# Altium PCB OctopusPB_r0101.PcbDoc (part 3 of 11) (continued)
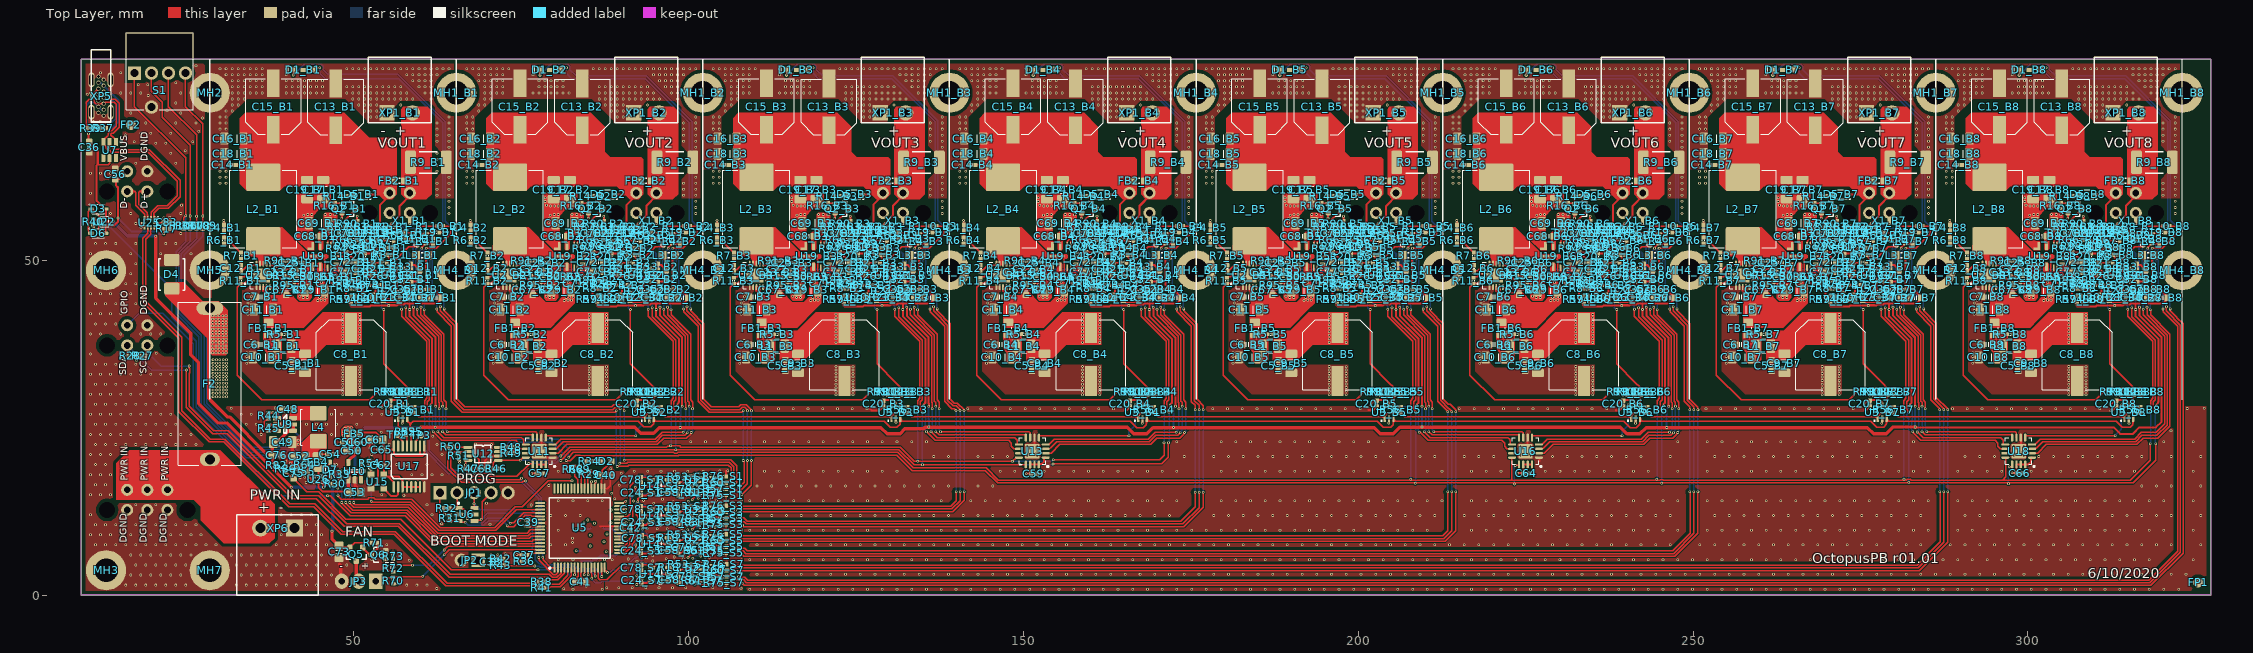
[diagram p0: Top Layer view]
## Part data (continued)
Q5: "P-Channel 30V 3.8A (Ta) 1.08W (Ta) Surface Mount SOT-23", Case=SOT23-3, Manufacturer=Diodes, Manufacturer PN=DMP3099L-7, PartNumber=DMP3099L-7, Publisher=alexey.savchenko, Publishing Date=2/26/2020
Q6: "MOSFET N-CH 30V 180MA SOT323", Case=SOT323, Manufacturer=Nexperia, Analogs=DMN63D8LW-7, Manufacturer PN=NX3020NAKW,115, PartNumber=NX3020NAKW,115, Publisher=alexey.savchenko, Publishing Date=2/17/2020
R1_B1 R1_B2 R1_B3 R1_B4 R1_B5 R1_B6 R1_B7 R1_B8 R12_B1 R12_B2 R12_B3 R12_B4 R12_B5 R12_B6 R12_B7 R12_B8: library part RC0402F-42K2-M, "Chip resistor", Case=0402, Manufacturer=Yageo, Manufacturer PN=RC0402FR-0742K2L, Power=0.063W, Rated Voltage=50V, PartNumber=RC0402F-42K2-M, Publisher=alexey.savchenko, Publishing Date=2/24/2020, T Coefficient=100ppm, Tollerance=1%
R2_B1 R2_B2 R2_B3 R2_B4 R2_B5 R2_B6 R2_B7 R2_B8 R30 R33 R63_B1 R63_B2 R63_B3 R63_B4 R63_B5 R63_B6 R63_B7 R63_B8 R86: library part RC0402F-1K-M, "Chip resistor", Case=0402, Manufacturer=Yageo, Manufacturer PN=RC0402FR-071KL, Power=0.063W, Rated Voltage=50V, PartNumber=RC0402F-1K-M, Publisher=alexey.savchenko, Publishing Date=2/24/2020, T Coefficient=100ppm, Tollerance=1%
R3_B1 R3_B2 R3_B3 R3_B4 R3_B5 R3_B6 R3_B7 R3_B8 R4_B1 R4_B2 R4_B3 R4_B4 R4_B5 R4_B6 R4_B7 R4_B8 R6_B1 R6_B2 R6_B3 R6_B4 R6_B5 R6_B6 R6_B7 R6_B8 R16_B1 R16_B2 R16_B3 R16_B4 R16_B5 R16_B6 R16_B7 R16_B8 R17 R29 R31 R32 R40 R42 R53_S1 R53_S2 R53_S3 R53_S4 R53_S5 R53_S6 R53_S7 R53_S8 R54 R57_S1 R57_S2 R57_S3 R57_S4 R57_S5 R57_S6 R57_S7 R57_S8 R60_S1 R60_S2 R60_S3 R60_S4 R60_S5 R60_S6 R60_S7 R60_S8 R61_S1 R61_S2 R61_S3 R61_S4 R61_S5 R61_S6 R61_S7 R61_S8 R62_B1 R62_B2 R62_B3 R62_B4 R62_B5 R62_B6 R62_B7 R62_B8 R64 R70 R71 R73 R82 R106 R107 R108 R109: library part RC0402F-10K-M, "Chip resistor", Case=0402, Manufacturer=Yageo, Manufacturer PN=RC0402FR-0710KL, Power=0.063W, Rated Voltage=50V, PartNumber=RC0402F-10K-M, Publisher=alexey.savchenko, Publishing Date=2/24/2020, Tollerance=1%
  R3_B1 R3_B2 R3_B3 R3_B4 R3_B5 R3_B6 R3_B7 R3_B8 R4_B1 R4_B2 R4_B3 R4_B4 R4_B5 R4_B6 R4_B7 R4_B8 R6_B1 R6_B2 R6_B3 R6_B4 R6_B5 R6_B6 R6_B7 R6_B8 R16_B1 R16_B2 R16_B3 R16_B4 R16_B5 R16_B6 R16_B7 R16_B8 R17 R29 R31 R32 R40 R42 R54 R61_S1 R61_S2 R61_S3 R61_S4 R61_S5 R61_S6 R61_S7 R61_S8 R62_B1 R62_B2 R62_B3 R62_B4 R62_B5 R62_B6 R62_B7 R62_B8 R64 R70 R71 R73 R82 R106 R107 R108 R109: T Coefficient=100ppm
R5_B1 R5_B2 R5_B3 R5_B4 R5_B5 R5_B6 R5_B7 R5_B8: library part RC0402F-2K1-M, "Chip resistor", Case=0402, Manufacturer=Yageo, Manufacturer PN=RC0402FR-072K1L, Power=0.063W, Rated Voltage=50V, PartNumber=RC0402F-2K1-M, Publisher=alexey.savchenko, Publishing Date=2/24/2020, T Coefficient=100ppm, Tollerance=1%
R7_B1 R7_B2 R7_B3 R7_B4 R7_B5 R7_B6 R7_B7 R7_B8 R8_B1 R8_B2 R8_B3 R8_B4 R8_B5 R8_B6 R8_B7 R8_B8 R23_B1 R23_B2 R23_B3 R23_B4 R23_B5 R23_B6 R23_B7 R23_B8 R24_B1 R24_B2 R24_B3 R24_B4 R24_B5 R24_B6 R24_B7 R24_B8 R25_B1 R25_B2 R25_B3 R25_B4 R25_B5 R25_B6 R25_B7 R25_B8 R26_B1 R26_B2 R26_B3 R26_B4 R26_B5 R26_B6 R26_B7 R26_B8 R56_B1 R56_B2 R56_B3 R56_B4 R56_B5 R56_B6 R56_B7 R56_B8 R58_B1 R58_B2 R58_B3 R58_B4 R58_B5 R58_B6 R58_B7 R58_B8 R59_B1 R59_B2 R59_B3 R59_B4 R59_B5 R59_B6 R59_B7 R59_B8 R68 R69 R74_B1 R74_B2 R74_B3 R74_B4 R74_B5 R74_B6 R74_B7 R74_B8 R87_B1 R87_B2 R87_B3 R87_B4 R87_B5 R87_B6 R87_B7 R87_B8 R90_B1 R90_B2 R90_B3 R90_B4 R90_B5 R90_B6 R90_B7 R90_B8 R91_B1 R91_B2 R91_B3 R91_B4 R91_B5 R91_B6 R91_B7 R91_B8 R94_B1 R94_B2 R94_B3 R94_B4 R94_B5 R94_B6 R94_B7 R94_B8 R95_B1 R95_B2 R95_B3 R95_B4 R95_B5 R95_B6 R95_B7 R95_B8 R98_B1 R98_B2 R98_B3 R98_B4 R98_B5 R98_B6 R98_B7 R98_B8 R99_B1 R99_B2 R99_B3 R99_B4 R99_B5 R99_B6 R99_B7 R99_B8 R103_B1 R103_B2 R103_B3 R103_B4 R103_B5 R103_B6 R103_B7 R103_B8 R110_B1 R110_B2 R110_B3 R110_B4 R110_B5 R110_B6 R110_B7 R110_B8: library part RC0402F-0R-M, "Chip resistor", Case=0402, Manufacturer=Yageo, Manufacturer PN=RC0402FR-070RL, Power=0.063W, Rated Voltage=50V, PartNumber=RC0402F-0R-M, Publisher=alexey.savchenko, Publishing Date=2/24/2020, Tollerance=1%
R9_B1 R9_B2 R9_B3 R9_B4 R9_B5 R9_B6 R9_B7 R9_B8: library part RC2512J-479R-M, "Chip resistor", Case=2512, Manufacturer=Stackpole, Manufacturer PN=RMCF2512JT470R, Power=1W, Rated Voltage=200V, PartNumber=RC2512J-479R-M, Publisher=alexey.savchenko, Publishing Date=2/24/2020, T Coefficient=200ppm, Tollerance=5%
R10_B1 R10_B2 R10_B3 R10_B4 R10_B5 R10_B6 R10_B7 R10_B8 R52 R55 R102_B1 R102_B2 R102_B3 R102_B4 R102_B5 R102_B6 R102_B7 R102_B8: library part RC0402F-43R-M, "Chip resistor", Case=0402, Manufacturer=Yageo, Manufacturer PN=RC0402FR-0743RL, Power=0.063W, Rated Voltage=50V, PartNumber=RC0402F-43R-M, Publisher=alexey.savchenko, Publishing Date=2/24/2020, Tollerance=1%
R11_B1 R11_B2 R11_B3 R11_B4 R11_B5 R11_B6 R11_B7 R11_B8 R13_B1 R13_B2 R13_B3 R13_B4 R13_B5 R13_B6 R13_B7 R13_B8 R36: library part RC0402F-100K-M, "Chip resistor", Case=0402, Manufacturer=Yageo, Manufacturer PN=RC0402FR-07100KL, Power=0.063W, Rated Voltage=50V, PartNumber=RC0402F-100K-M, Publisher=alexey.savchenko, Publishing Date=2/24/2020, T Coefficient=100ppm, Tollerance=1%
R14_B1 R14_B2 R14_B3 R14_B4 R14_B5 R14_B6 R14_B7 R14_B8 R43 R65_B1 R65_B2 R65_B3 R65_B4 R65_B5 R65_B6 R65_B7 R65_B8: library part RC0402F-100R-M, "Chip resistor", Case=0402, Manufacturer=Yageo, Manufacturer PN=RC0402FR-07100RL, Power=0.063W, Rated Voltage=50V, PartNumber=RC0402F-100R-M, Publisher=alexey.savchenko, Publishing Date=2/24/2020, Tollerance=1%
R15_B1 R15_B2 R15_B3 R15_B4 R15_B5 R15_B6 R15_B7 R15_B8: library part RC0402F-56K-M, "Chip resistor", Case=0402, Manufacturer=Yageo, Manufacturer PN=RC0402FR-0756KL, Power=0.063W, Rated Voltage=50V, PartNumber=RC0402F-56K-M, Publisher=alexey.savchenko, Publishing Date=2/24/2020, T Coefficient=100ppm, Tollerance=1%
R18_S1 R18_S2 R18_S3 R18_S4 R18_S5 R18_S6 R18_S7 R18_S8 R75_S1 R75_S2 R75_S3 R75_S4 R75_S5 R75_S6 R75_S7 R75_S8 R76_S1 R76_S2 R76_S3 R76_S4 R76_S5 R76_S6 R76_S7 R76_S8: library part RC0402F-2K4-M, "Chip resistor", Case=0402, Manufacturer=Yageo, Manufacturer PN=RC0402FR-072K4L, Power=0.063W, Rated Voltage=50V, PartNumber=RC0402F-2K4-M, Publisher=alexey.savchenko, Publishing Date=2/24/2020, Tollerance=1%
R19_B1 R19_B2 R19_B3 R19_B4 R19_B5 R19_B6 R19_B7 R19_B8: library part RC0402F-360R-M, "Chip resistor", Case=0402, Manufacturer=Yageo, Manufacturer PN=RC0402FR-07360RL, Power=0.063W, Rated Voltage=50V, PartNumber=RC0402F-360R-M, Publisher=alexey.savchenko, Publishing Date=2/24/2020, Tollerance=1%
R20_B1 R20_B2 R20_B3 R20_B4 R20_B5 R20_B6 R20_B7 R20_B8: library part RC0402F-7K15-M, "Chip resistor", Case=0402, Manufacturer=Yageo, Manufacturer PN=RC0402FR-077K15L, Power=0.063W, Rated Voltage=50V, PartNumber=RC0402F-7K15-M, Publisher=alexey.savchenko, Publishing Date=2/24/2020, T Coefficient=100ppm, Tollerance=1%
R21_B1 R21_B2 R21_B3 R21_B4 R21_B5 R21_B6 R21_B7 R21_B8: library part RC0402F-1K2-M, "Chip resistor", Case=0402, Manufacturer=Yageo, Manufacturer PN=RC0402FR-071K2L, Power=0.063W, Rated Voltage=50V, PartNumber=RC0402F-1K2-M, Publisher=alexey.savchenko, Publishing Date=2/24/2020, T Coefficient=100ppm, Tollerance=1%
R22_B1 R22_B2 R22_B3 R22_B4 R22_B5 R22_B6 R22_B7 R22_B8 R67_B1 R67_B2 R67_B3 R67_B4 R67_B5 R67_B6 R67_B7 R67_B8: library part RC0402F-6K04-M, "Chip resistor", Case=0402, Manufacturer=Yageo, Manufacturer PN=RC0402FR-076K04L, Power=0.063W, Rated Voltage=50V, PartNumber=RC0402F-6K04-M, Publisher=alexey.savchenko, Publishing Date=2/24/2020, T Coefficient=100ppm, Tollerance=1%
R27 R28 R46 R47 R48 R49 R50 R51: library part RC0402F-4K7-M, "Chip resistor", Case=0402, Manufacturer=Yageo, Manufacturer PN=RC0402FR-074K7L, Power=0.063W, Rated Voltage=50V, PartNumber=RC0402F-4K7-M, Publisher=alexey.savchenko, Publishing Date=2/24/2020, T Coefficient=100ppm, Tollerance=1%
R34: library part RC0402F-240R-M, "Chip resistor", Case=0402, Manufacturer=Yageo, Manufacturer PN=RC0402FR-07240RL, Power=0.063W, Rated Voltage=50V, PartNumber=RC0402F-240R-M, Publisher=alexey.savchenko, Publishing Date=2/24/2020, Tollerance=1%
R37 R39: library part RC0402F-5K1-M, "Chip resistor", Case=0402, Manufacturer=Yageo, Manufacturer PN=RC0402FR-075K1L, Power=0.063W, Rated Voltage=50V, PartNumber=RC0402F-5K1-M, Publisher=alexey.savchenko, Publishing Date=2/24/2020, T Coefficient=100ppm, Tollerance=1%
R38 R41: library part RC0402F-33R-M, "Chip resistor", Case=0402, Manufacturer=Yageo, Manufacturer PN=RC0402FR-0733RL, Power=0.063W, Rated Voltage=50V, PartNumber=RC0402F-33R-M, Publisher=alexey.savchenko, Publishing Date=2/24/2020, Tollerance=1%
R44: library part RC0402F-91K-M, "Chip resistor", Case=0402, Manufacturer=Yageo, Manufacturer PN=RC0402FR-0791KL, Power=0.063W, Rated Voltage=50V, PartNumber=RC0402F-91K-M, Publisher=alexey.savchenko, Publishing Date=2/24/2020, T Coefficient=100ppm, Tollerance=1%
R45: library part RC0402F-22K1-M, "Chip resistor", Case=0402, Manufacturer=Yageo, Manufacturer PN=RC0402FR-0722K1L, Power=0.063W, Rated Voltage=50V, PartNumber=RC0402F-22K1-M, Publisher=alexey.savchenko, Publishing Date=2/24/2020, T Coefficient=100ppm, Tollerance=1%
R66_B1 R66_B2 R66_B3 R66_B4 R66_B5 R66_B6 R66_B7 R66_B8: library part RC0402F-33K-M, "Chip resistor", Case=0402, Manufacturer=Yageo, Manufacturer PN=RC0402FR-0733KL, Power=0.063W, Rated Voltage=50V, PartNumber=RC0402F-33K-M, Publisher=alexey.savchenko, Publishing Date=2/24/2020, T Coefficient=100ppm, Tollerance=1%
R72 R83_B1 R83_B2 R83_B3 R83_B4 R83_B5 R83_B6 R83_B7 R83_B8: library part RC0402F-10R-M, "Chip resistor", Case=0402, Manufacturer=Yageo, Manufacturer PN=RC0402FR-0710RL, Power=0.063W, Rated Voltage=50V, PartNumber=RC0402F-10R-M, Publisher=alexey.savchenko, Publishing Date=2/24/2020, Tollerance=1%
S1: "Dip Switch Hexadecimal 16 Position Through Hole, Right Angle Rotary for Tool Actuator 100mA 5VDC", Manufacturer="Nidec Copal Electronics", Manufacturer PN=DSC6001CI2A-004.0000S-1011A, PartNumber=S-1011A, Publisher=alexey.savchenko, Publishing Date=4/17/2020
TP2 TP3: library part TEST_POINT_SMALL, "Test point", Manufacturer=NULL, Manufacturer PN=NULL, PartNumber=TEST_POINT_SMALL, Publisher=alexey.savchenko, Publishing Date=2/14/2020
U1_B1 U1_B2 U1_B3 U1_B4 U1_B5 U1_B6 U1_B7 U1_B8 U21_S1 U21_S2 U21_S3 U21_S4 U21_S5 U21_S6 U21_S7 U21_S8: "1 Circuit IC Switch 2:1 10Ohm SOT-363", Case=SOT363, Manufacturer=TI, Analogs="74LVC1G3157DW-7(Diodes), PI5A3157CEX(Diodes)", Manufacturer PN=SN74LVC1G3157DCKR, PartNumber=SN74LVC1G3157DCKR, Publisher=alexey.savchenko, Publishing Date=4/9/2020
U2_B1 U2_B2 U2_B3 U2_B4 U2_B5 U2_B6 U2_B7 U2_B8: "IC REG BUCK ADJUSTABLE 8A 14VQFN", Case=VQFN14, Manufacturer=TI, Manufacturer PN=TPS54821RHL, PartNumber=TPS54821RHL, Publisher=alexey.savchenko, Publishing Date=1/12/2020
U3_B1 U3_B2 U3_B3 U3_B4 U3_B5 U3_B6 U3_B7 U3_B8: "IC SINGLE 2-INPUT MUX 6TSSOP", Case=SOT363, Manufacturer=Nexperia, Analogs=NC7SV157P6X,NC7SZ157P6X, Manufacturer PN=74LVC1G157GW, PartNumber=74LVC1G157GW, Publisher=alexey.savchenko, Publishing Date=1/21/2020
U4_B1 U4_B2 U4_B3 U4_B4 U4_B5 U4_B6 U4_B7 U4_B8: "SINGLE CHAN DAC 24BIT- ZEROCODE", Case=WSON-8, Manufacturer=TI, Analogs="DAC60501MDQFR, DAC60501MDQFT, DAC60501ZDQFR", Manufacturer PN=DAC60501ZDQFT, PartNumber=DAC60501ZDQFT, Publisher=alexey.savchenko, Publishing Date=1/13/2020
U5: "IC MCU 32BIT 256KB FLASH 64LQFP", Case=LQFP-64, Manufacturer=NXP, Manufacturer PN=LPC54113J256BD64QL, PartNumber=LPC54113J256BD64QL, Publisher=alexey.savchenko, Publishing Date=1/24/2020
U6 U7: "TVS DIODE 5.5V 6TSOP", Case=TSOP-6, Manufacturer=Nexperia, Manufacturer PN=IP4220CZ6, PartNumber=IP4220CZ6, Publisher=alexey.savchenko, Publishing Date=1/24/2020
U8: "IC VREF SERIES 0.15% SOT23-3", Case=SOT23-3, Manufacturer=TI, Manufacturer PN=REF3330AIDBZ, PartNumber=REF3330AIDBZ, Publisher=alexey.savchenko, Publishing Date=2/19/2020
U9: "Buck Switching Regulator IC Positive Adjustable 1V 1 Output 600mA SOT-23-6", Case=SOT23-6, Manufacturer=TI, Manufacturer PN=TPS560430YFQDBVRQ1, PartNumber=TPS560430YFQDBVRQ1, Publisher=alexey.savchenko, Publishing Date=3/31/2020
U10: "Linear Voltage Regulator IC 1 Output 150mA SOT-23-5", Case=SOT23-5, Manufacturer=Microchip, Manufacturer PN=MIC5317-3.3YM5, PartNumber=MIC5317-3.3YM5, Publisher=alexey.savchenko, Publishing Date=3/10/2020
U11 U13 U16 U18: "I/O Expander 8 I²C, SMBus 400kHz 16-VQFN (4x4)", Case=VQFN-16(RGV), Manufacturer=TI, Analogs="NXP has same chip", Manufacturer PN=PCA9554ARGVR, PartNumber=PCA9554ARGVR, Publisher=alexey.savchenko, Publishing Date=2/26/2020
U12: "IC INTERFACE SPECIALIZED 8TSSOP", Case=TSSOP-8, Manufacturer=NXP, Manufacturer PN=PCA9540BDP,118, PartNumber=PCA9540BDP,118, Publisher=alexey.savchenko, Publishing Date=1/24/2020
U14_S1 U14_S2 U14_S3 U14_S4 U14_S5 U14_S6 U14_S7 U14_S8: "General Purpose Amplifier 1 Circuit Rail-to-Rail SOT-23-5", Case=SOT23-5, Manufacturer=Microchip, Manufacturer PN=MCP6001UT-E/OT, PartNumber=MCP6001UT-E/OT, Publisher=alexey.savchenko, Publishing Date=2/24/2020
U15: "4MHz XO (Standard) CMOS Oscillator 1.8V ~ 3.3V Enable/Disable 4-SMD, No Lead", Frequency=4MHz, Manufacturer=Microchip, Manufacturer PN=DSC6001CI2A-004.0000, PartNumber=DSC6001CI2A-004.0000, Publisher=alexey.savchenko, Publishing Date=3/6/2020
U17: "Counter IC Binary Counter 1 Element 4 Bit Positive Edge 16-TSSOP", Case=TSSOP-16, Manufacturer=TI, Manufacturer PN=SN74HC163PW, PartNumber=SN74HC163PW, Publisher=alexey.savchenko, Publishing Date=3/6/2020
U19_B1 U19_B2 U19_B3 U19_B4 U19_B5 U19_B6 U19_B7 U19_B8: "Buck Switching Regulator IC Positive Adjustable 1V 1 Output 6A 14-VFQFN", Case=VQFN-HR-14, Manufacturer=TI, Manufacturer PN=LM61460AASQRJRRQ1, PartNumber=LM61460-Q1, Publisher=alexey.savchenko, Publishing Date=3/27/2020
U20_B1 U20_B2 U20_B3 U20_B4 U20_B5 U20_B6 U20_B7 U20_B8: "Temperature Sensor Digital, Local -20°C ~ 125°C 10 b 8-WDFN (2x3)", Case=WDFN-8, Manufacturer=Microchip, Manufacturer PN=AT30TSE002B-MAH-T, PartNumber=AT30TSE002B-MAH-T, Publisher=alexey.savchenko, Publishing Date=3/31/2020
U22 U26: "Power Switch/Driver 2:1 P-Channel 1.5A 6-WLCSP (0.96x1.66)", Case=WLCSP-6, Manufacturer="ON Semiconductor", Manufacturer PN=FPF1320UCX, PartNumber=FPF1320UCX, Publisher=alexey.savchenko, Publishing Date=4/10/2020
U25: "IC USB 2.0 SWITCH HS 10XQFN", Case=XQFN-10(SOT1049-3), Manufacturer=NXP, Analogs=PI3USB221AZUAEX, Manufacturer PN=NX3DV221GM,115, PartNumber=NX3DV221GM,115, Publisher=alexey.savchenko, Publishing Date=4/9/2020
XP1_B1 XP1_B2 XP1_B3 XP1_B4 XP1_B5 XP1_B6 XP1_B7 XP1_B8: "2 Position Terminal Block Header, Male Pins, Shrouded (4 Side) 0.150\" (3.81mm) 90°, Right Angle Through Hole", Manufacturer="Würth Elektronik", Manufacturer PN=691322310002+691361300002(Plug), PartNumber=TBH-2x3.81P-RA-GN, Publisher=alexey.savchenko, Publishing Date=2/14/2020
XP2_B1 XP2_B2 XP2_B3 XP2_B4 XP2_B5 XP2_B6 XP2_B7 XP2_B8 XP3 XP4: "Micro-Fit BMI Receptacle Header, Dual Row, Vertical, with Press-fit Plastic Pegs, 2.54µm Tin (Sn), 4 Circuits", Manufacturer=Molex, Analogs="0447690402, 0447690403", Manufacturer PN=0447690401, PartNumber=0447690401, Publisher=alexey.savchenko, Publishing Date=2/14/2020
XP5: "CONN USB TYPE-C TH UPRIGHT FLAG", Manufacturer=Kycon, Manufacturer PN=KUSBX-SL-CS1N14-B, PartNumber=KUSBX-SL-CS1N14-B, Publisher=alexey.savchenko, Publishing Date=4/17/2020
XP6: "TERM BLOCK HDR 2POS 90DEG 5.08MM, Green", Manufacturer="Phoenix Contact", Manufacturer PN=+1757019(Plug), PartNumber=TBH-2x5.08P-RA-GN, Publisher=alexey.savchenko, Publishing Date=2/14/2020
XP7: "Micro-Fit BMI Receptacle Header, Dual Row, Vertical, with Press-fit Plastic Pegs, 2.54µm Tin (Sn), 6 Circuits", Manufacturer=Molex, Analogs="0447690602, 0447690603", Manufacturer PN=0447690601, PartNumber=0447690601, Publisher=alexey.savchenko, Publishing Date=4/29/2020

## Free pads (board coordinates)
  round 1.1 on Mech8: 1(-12.299,-168.07) 1(-12.299,-167.07) 1(-12.299,-162.96) 1(-12.299,-161.46) 1(-3.659,-168.07) 1(-3.659,-167.07) 1(-3.659,-162.96) 1(-3.659,-161.46)
  round 2.41 on Mech8: 1(-12.078,-200.01) 1(-12.078,-183.01) 1(-3.078,-200.01) 1(-3.078,-183.01) 1(30.922,-183.01) 1(39.922,-183.01) 1(68.749,-183.01) 1(77.749,-183.01) 1(106.576,-183.01) 1(115.576,-183.01) 1(144.403,-183.01) 1(153.403,-183.01) 1(182.23,-183.01) 1(191.23,-183.01) 1(220.057,-183.01) 1(229.057,-183.01) 1(257.884,-183.01) 1(266.884,-183.01) 1(295.711,-183.01) 1(304.711,-183.01)
  round 1.8 on Mech8: 1(-12.078,-200.01) 1(-12.078,-183.01) 1(-9.078,-200.01) 1(-9.078,-197.01) 1(-9.078,-183.01) 1(-9.078,-180.01) 1(-6.078,-200.01) 1(-6.078,-197.01) 1(-6.078,-183.01) 1(-6.078,-180.01) 1(-3.078,-200.01) 1(-3.078,-183.01) 1(30.922,-183.01) 1(33.922,-183.01) 1(33.922,-180.01) 1(36.922,-183.01) 1(36.922,-180.01) 1(39.922,-183.01) 1(68.749,-183.01) 1(71.749,-183.01) 1(71.749,-180.01) 1(74.749,-183.01) 1(74.749,-180.01) 1(77.749,-183.01) 1(106.576,-183.01) 1(109.576,-183.01) 1(109.576,-180.01) 1(112.576,-183.01) 1(112.576,-180.01) 1(115.576,-183.01) 1(144.403,-183.01) 1(147.403,-183.01) 1(147.403,-180.01) 1(150.403,-183.01) 1(150.403,-180.01) 1(153.403,-183.01) 1(182.23,-183.01) 1(185.23,-183.01) 1(185.23,-180.01) 1(188.23,-183.01) 1(188.23,-180.01) 1(191.23,-183.01) 1(220.057,-183.01) 1(223.057,-183.01) 1(223.057,-180.01) 1(226.057,-183.01) 1(226.057,-180.01) 1(229.057,-183.01) 1(257.884,-183.01) 1(260.884,-183.01) 1(260.884,-180.01) 1(263.884,-183.01) 1(263.884,-180.01) 1(266.884,-183.01) 1(295.711,-183.01) 1(298.711,-183.01) 1(298.711,-180.01) 1(301.711,-183.01) 1(301.711,-180.01) 1(304.711,-183.01)
  round 1.02 on Mech8: 1(-9.078,-200.01) 1(-9.078,-197.01) 1(-9.078,-183.01) 1(-9.078,-180.01) 1(-6.078,-200.01) 1(-6.078,-197.01) 1(-6.078,-183.01) 1(-6.078,-180.01) 1(33.922,-183.01) 1(33.922,-180.01) 1(36.922,-183.01) 1(36.922,-180.01) 1(71.749,-183.01) 1(71.749,-180.01) 1(74.749,-183.01) 1(74.749,-180.01) 1(109.576,-183.01) 1(109.576,-180.01) 1(112.576,-183.01) 1(112.576,-180.01) 1(147.403,-183.01) 1(147.403,-180.01) 1(150.403,-183.01) 1(150.403,-180.01) 1(185.23,-183.01) 1(185.23,-180.01) 1(188.23,-183.01) 1(188.23,-180.01) 1(223.057,-183.01) 1(223.057,-180.01) 1(226.057,-183.01) 1(226.057,-180.01) 1(260.884,-183.01) 1(260.884,-180.01) 1(263.884,-183.01) 1(263.884,-180.01) 1(298.711,-183.01) 1(298.711,-180.01) 1(301.711,-183.01) 1(301.711,-180.01)
  round 0.2 on Mech8: 1(17.922,-162.61) 1(22.997,-162.835) 1(23.197,-195.285) 1(23.747,-198.385) 1(26.747,-199.81) 1(26.747,-199.21) 1(26.747,-198.61) 1(26.822,-200.41) 1(27.372,-200.585) 1(27.397,-197.785) 1(27.397,-197.235) 1(27.697,-190.035) 1(27.697,-189.435) 1(27.697,-188.835) 1(27.722,-191.66) 1(27.722,-191.035) 1(27.947,-188.31) 1(27.972,-200.585) 1(28.522,-188.185) 1(29.122,-188.185) 1(29.522,-201.035) 1(29.572,-198.31) 1(29.797,-200.585) 1(30.072,-201.01) 1(30.097,-198.31) 1(30.322,-200.56) 1(30.597,-200.985) 1(30.847,-200.56) 1(30.997,-191.41) 1(30.997,-190.81) 1(31.172,-188.185) 1(31.597,-190.81) 1(31.872,-188.185) 1(32.422,-190.935) 1(32.572,-188.21) 1(32.597,-190.06) 1(32.597,-189.46) 1(32.597,-188.86) 1(32.698,-192.708) 1(33.272,-214.51) 1(33.272,-213.985) 1(33.272,-213.46) 1(33.272,-209.71) 1(33.397,-192.71) 1(33.522,-199.435) 1(33.772,-188.485) 1(34.372,-198.685) 1(34.722,-190.935) 1(34.872,-198.685) 1(35.447,-184.86) 1(35.822,-214.56) 1(35.822,-214.035) 1(35.822,-213.535) 1(35.822,-209.76) 1(35.822,-209.235) 1(35.822,-208.685) 1(35.822,-208.16) 1(35.822,-207.635) 1(35.822,-207.11) 1(35.822,-206.61) 1(35.822,-206.085) 1(35.822,-205.585) 1(35.872,-189.985) 1(35.997,-204.26) 1(36.072,-200.285) 1(36.772,-194.11) 1(36.772,-193.535) 1(36.797,-194.635) 1(37.422,-197.16) 1(37.497,-191.235) 1(37.822,-184.16) 1(38.224,-189.657) 1(38.322,-195.06) 1(38.347,-203.21) 1(38.447,-184.96) 1(38.947,-189.51) 1(40.997,-194.635) 1(40.997,-192.685) 1(41.022,-197.01) 1(51.32,-195.185) 1(60.648,-192.708) 1(62.572,-191.585) 1(68.222,-195.26) 1(72.822,-231.185) 1(72.897,-239.085) 1(72.922,-235.985) 1(74.722,-233.935) 1(74.769,-233.082) 1(75.122,-238.335) 1(75.247,-239.085) 1(75.572,-235.185) 1(75.817,-238.67) 1(75.897,-231.735) 1(76.722,-227.51) 1(77.397,-230.36) 1(77.897,-239.16) 1(79.197,-229.085) 1(79.272,-230.385) 1(80.522,-223.96) 1(81.022,-228.06) 1(81.122,-232.885) 1(81.197,-239.16) 1(81.297,-235.535) 1(81.322,-237.31) 1(81.497,-230.435) 1(81.901,-235.484) 1(81.922,-236.085) 1(82.197,-239.16) 1(82.547,-227.035) 1(82.851,-236.659) 1(82.919,-235.493) 1(83.022,-229.91) 1(83.222,-239.16) 1(83.397,-223.985) 1(83.472,-236.66) 1(83.472,-232.81) 1(83.697,-226.435) 1(83.922,-235.785) 1(83.947,-231.135) 1(84.922,-226.76) 1(86.372,-223.36) 1(87.137,-229.315) 1(87.147,-229.985) 1(87.197,-231.735) 1(87.226,-231.135) 1(87.501,-230.559) 1(87.522,-226.96) 1(87.597,-232.185) 1(87.647,-239.11) 1(87.797,-225.16) 1(88.147,-226.91) 1(88.322,-232.535) 1(88.622,-228.11) 1(88.747,-236.71) 1(88.894,-232.953) 1(88.943,-238.758) 1(88.951,-235.372) 1(88.976,-237.635) 1(89.147,-195.185) 1(89.447,-226.585) 1(89.572,-230.785) 1(90.422,-225.21) 1(90.472,-233.835) 1(90.497,-236.61) 1(90.897,-232.185) 1(92.547,-239.11) 1(93.072,-234.635) 1(93.372,-226.285) 1(93.547,-239.135) 1(94.022,-225.16) 1(94.247,-232.285) 1(94.572,-233.785) 1(95.372,-232.885) 1(95.597,-236.485) 1(95.597,-230.785) 1(96.122,-226.285) 1(97.147,-232.835) 1(97.147,-225.16) 1(97.197,-229.01) 1(97.222,-239.135) 1(97.222,-236.785) 1(97.297,-238.535) 1(97.322,-237.56) 1(97.947,-227.26) 1(97.972,-228.26) 1(98.475,-192.708) 1(99.647,-227.81) 1(99.697,-231.035) 1(99.747,-239.135) 1(99.772,-235.135) 1(100.399,-191.585) 1(102.718,-47.5) 1(102.718,-46.975) 1(102.718,-46.45) 1(102.718,-45.925) 1(106.049,-195.26) 1(108,-46.4) 1(108,-45.875) 1(110.063,-51.155) 1(110.063,-50.63) 1(110.063,-50.105) 1(110.063,-49.58) 1(110.063,-49.055) 1(110.063,-48.53) 1(110.063,-48.005) 1(110.063,-47.48) 1(110.55,-48.55) 1(110.55,-48.025) 1(110.55,-47.475) 1(110.55,-46.95) 1(110.55,-46.425) 1(110.55,-45.9) 1(114.342,-45.76) 1(114.742,-46.185) 1(115.242,-46.21) 1(126.974,-195.185) 1(136.302,-192.708) 1(138.226,-191.585) 1(143.876,-195.26) 1(164.801,-195.185) 1(174.129,-192.708) 1(176.053,-191.585) 1(181.703,-195.26) 1(202.628,-195.185) 1(211.956,-192.708) 1(213.88,-191.585) 1(219.53,-195.26) 1(240.455,-195.185) 1(249.783,-192.708) 1(251.707,-191.585) 1(257.357,-195.26) 1(278.282,-195.185) 1(287.61,-192.708) 1(289.534,-191.585) 1(295.184,-195.26)
  round 0.4 on Mech8: 1(22.997,-162.835) 1(23.197,-195.285) 1(23.747,-198.385) 1(26.747,-199.81) 1(26.747,-199.21) 1(26.747,-198.61) 1(26.822,-200.41) 1(27.372,-200.585) 1(27.397,-197.785) 1(27.397,-197.235) 1(27.697,-190.035) 1(27.697,-189.435) 1(27.697,-188.835) 1(27.722,-191.66) 1(27.722,-191.035) 1(27.947,-188.31) 1(27.972,-200.585) 1(28.522,-188.185) 1(29.122,-188.185) 1(29.522,-201.035) 1(29.572,-198.31) 1(29.797,-200.585) 1(30.072,-201.01) 1(30.097,-198.31) 1(30.322,-200.56) 1(30.597,-200.985) 1(30.847,-200.56) 1(30.997,-191.41) 1(30.997,-190.81) 1(31.172,-188.185) 1(31.597,-190.81) 1(31.872,-188.185) 1(32.422,-190.935) 1(32.572,-188.21) 1(32.597,-190.06) 1(32.597,-189.46) 1(32.597,-188.86) 1(32.698,-192.708) 1(33.272,-214.51) 1(33.272,-213.985) 1(33.272,-213.46) 1(33.272,-209.71) 1(33.397,-192.71) 1(33.522,-199.435) 1(33.772,-188.485) 1(34.372,-198.685) 1(34.722,-190.935) 1(34.872,-198.685) 1(35.447,-184.86) 1(35.822,-214.56) 1(35.822,-214.035) 1(35.822,-213.535) 1(35.822,-209.76) 1(35.822,-209.235) 1(35.822,-208.685) 1(35.822,-208.16) 1(35.822,-207.635) 1(35.822,-207.11) 1(35.822,-206.61) 1(35.822,-206.085) 1(35.822,-205.585) 1(35.872,-189.985) 1(35.997,-204.26) 1(36.072,-200.285) 1(36.772,-194.11) 1(36.772,-193.535) 1(36.797,-194.635) 1(37.422,-197.16) 1(37.497,-191.235) 1(37.822,-184.16) 1(38.224,-189.657) 1(38.322,-195.06) 1(38.347,-203.21) 1(38.447,-184.96) 1(38.947,-189.51) 1(40.997,-194.635) 1(40.997,-192.685) 1(41.022,-197.01) 1(72.822,-231.185) 1(72.897,-239.085) 1(72.922,-235.985) 1(74.722,-233.935) 1(74.769,-233.082) 1(75.122,-238.335) 1(75.247,-239.085) 1(75.572,-235.185) 1(75.817,-238.67) 1(75.897,-231.735) 1(76.722,-227.51) 1(77.397,-230.36) 1(77.897,-239.16) 1(79.197,-229.085) 1(79.272,-230.385) 1(80.522,-223.96) 1(81.022,-228.06) 1(81.122,-232.885) 1(81.197,-239.16) 1(81.297,-235.535) 1(81.322,-237.31) 1(81.497,-230.435) 1(81.901,-235.484) 1(81.922,-236.085) 1(82.197,-239.16) 1(82.547,-227.035) 1(82.851,-236.659) 1(82.919,-235.493) 1(83.022,-229.91) 1(83.222,-239.16) 1(83.397,-223.985) 1(83.472,-236.66) 1(83.472,-232.81) 1(83.697,-226.435) 1(83.922,-235.785) 1(83.947,-231.135) 1(84.922,-226.76) 1(86.372,-223.36) 1(87.137,-229.315) 1(87.147,-229.985) 1(87.197,-231.735) 1(87.226,-231.135) 1(87.501,-230.559) 1(87.522,-226.96) 1(87.597,-232.185) 1(87.647,-239.11) 1(87.797,-225.16) 1(88.147,-226.91) 1(88.322,-232.535) 1(88.622,-228.11) 1(88.747,-236.71) 1(88.894,-232.953) 1(88.943,-238.758) 1(88.951,-235.372) 1(88.976,-237.635) 1(89.447,-226.585) 1(89.572,-230.785) 1(90.422,-225.21) 1(90.472,-233.835) 1(90.497,-236.61) 1(90.897,-232.185) 1(92.547,-239.11) 1(93.072,-234.635) 1(93.372,-226.285) 1(93.547,-239.135) 1(94.022,-225.16) 1(94.247,-232.285) 1(94.572,-233.785) 1(95.372,-232.885) 1(95.597,-236.485) 1(95.597,-230.785) 1(96.122,-226.285) 1(97.147,-232.835) 1(97.147,-225.16) 1(97.197,-229.01) 1(97.222,-239.135) 1(97.222,-236.785) 1(97.297,-238.535) 1(97.322,-237.56) 1(97.947,-227.26) 1(97.972,-228.26) 1(99.647,-227.81) 1(99.697,-231.035) 1(99.747,-239.135) 1(99.772,-235.135) 1(102.718,-47.5) 1(102.718,-46.975) 1(102.718,-46.45) 1(102.718,-45.925) 1(108,-46.4) 1(108,-45.875) 1(110.063,-51.155) 1(110.063,-50.63) 1(110.063,-50.105) 1(110.063,-49.58) 1(110.063,-49.055) 1(110.063,-48.53) 1(110.063,-48.005) 1(110.063,-47.48) 1(110.55,-48.55) 1(110.55,-48.025) 1(110.55,-47.475) 1(110.55,-46.95) 1(110.55,-46.425) 1(110.55,-45.9) 1(114.342,-45.76) 1(114.742,-46.185) 1(115.242,-46.21)
  round 1.2 on Mech8: 1(26.224,-168.121) 1(30.034,-168.121) 1(61.008,-224.451) 1(63.548,-224.451) 1(64.051,-168.121) 1(65.648,-231.051) 1(66.088,-224.451) 1(67.861,-168.121) 1(68.188,-231.051) 1(68.628,-224.451) 1(71.168,-224.451) 1(101.878,-168.121) 1(105.688,-168.121) 1(139.705,-168.121) 1(143.515,-168.121) 1(177.532,-168.121) 1(181.342,-168.121) 1(215.359,-168.121) 1(219.169,-168.121) 1(253.186,-168.121) 1(256.996,-168.121) 1(291.013,-168.121) 1(294.823,-168.121)
  round 2.3 on Mech8: 1(30.034,-168.121) 1(67.861,-168.121) 1(105.688,-168.121) 1(143.515,-168.121) 1(181.342,-168.121) 1(219.169,-168.121) 1(256.996,-168.121) 1(294.823,-168.121)
  round 0.711 on Mech8: 1(35.038,313.274) 1(35.138,311.774) 1(35.138,314.974) 1(40.138,307.774) 1(40.138,317.374) 1(40.238,309.874) 1(40.238,319.574) 1(41.738,317.374) 1(42.738,307.574) 1(42.738,309.774) 1(42.838,319.474) 1(283.838,257.774) 1(283.938,256.274) 1(283.938,259.474) 1(288.938,252.474) 1(288.938,261.874) 1(289.038,254.574) 1(289.038,264.074) 1(290.538,261.874) 1(291.538,252.274) 1(291.538,254.474) 1(291.638,263.974)
  round 1.27 on Mech8: 1(35.038,313.274) 1(35.138,311.774) 1(35.138,314.974) 1(40.138,307.774) 1(40.138,317.374) 1(40.238,309.874) 1(40.238,319.574) 1(41.738,317.374) 1(42.738,307.574) 1(42.738,309.774) 1(42.838,319.474) 1(283.838,257.774) 1(283.938,256.274) 1(283.938,259.474) 1(288.938,252.474) 1(288.938,261.874) 1(289.038,254.574) 1(289.038,264.074) 1(290.538,261.874) 1(291.538,252.274) 1(291.538,254.474) 1(291.638,263.974)
  round 1 on Mech8: 1(45.52,-208.531) 1(45.52,-207.331) 1(45.72,-202.731) 1(45.72,-201.431) 1(45.92,-206.131) 1(46.72,-205.131) 1(46.72,-203.931) 1(46.92,-200.131) 1(66.722,-204.635) 1(66.722,-204.635) 1(66.722,-204.635) 1(66.722,-203.135) 1(66.722,-203.135) 1(66.722,-203.135) 1(66.722,-201.635) 1(66.722,-201.635) 1(66.722,-201.635) 1(66.738,-204.635) 1(66.738,-203.135) 1(66.738,-201.635) 1(104.499,-204.635) 1(104.499,-204.635) 1(104.499,-203.135) 1(104.499,-203.135) 1(104.499,-201.635) 1(104.499,-201.635) 1(104.515,-204.635) 1(104.515,-203.135) 1(104.515,-201.635) 1(142.376,-204.635) 1(142.376,-204.635) 1(142.376,-203.135) 1(142.376,-203.135) 1(142.376,-201.635) 1(142.376,-201.635) 1(142.392,-204.635) 1(142.392,-203.135) 1(142.392,-201.635) 1(180.203,-204.635) 1(180.203,-204.635) 1(180.203,-203.135) 1(180.203,-203.135) 1(180.203,-201.635) 1(180.203,-201.635) 1(180.219,-204.635) 1(180.219,-203.135) 1(180.219,-201.635) 1(218.03,-204.635) 1(218.03,-204.635) 1(218.03,-203.135) 1(218.03,-203.135) 1(218.03,-201.635) 1(218.03,-201.635) 1(218.046,-204.635) 1(218.046,-203.135) 1(218.046,-201.635) 1(237.522,-231.15) 1(237.522,-228.61) 1(237.522,-226.07) 1(255.857,-204.635) 1(255.857,-204.635) 1(255.857,-203.135) 1(255.857,-203.135) 1(255.857,-201.635) 1(255.857,-201.635) 1(255.873,-204.635) 1(255.873,-203.135) 1(255.873,-201.635) 1(293.684,-204.635) 1(293.684,-204.635) 1(293.684,-203.135) 1(293.684,-203.135) 1(293.684,-201.635) 1(293.684,-201.635) 1(293.7,-204.635) 1(293.7,-203.135) 1(293.7,-201.635)
  round 1.5 on Mech8: 1(165.222,-222.71) 1(187.822,-222.71) 1(187.982,-230.01) 1(193.062,-230.01)
  round 2.5 on Mech8: 1(187.982,-230.01)
  round 1.4 on Mech8: 1(200.822,-226.31) 1(200.822,-224.41) 1(201.222,-229.96) 1(201.222,-228.06) 1(206.222,-229.96) 1(206.222,-228.06) 1(206.622,-226.31) 1(206.622,-224.41)
  round 1.7 on Mech8: 1(201.222,-232.51) 1(206.222,-232.51)

## Via types
v1: diameter 0.4, hole 0.2, Top Layer to Bottom Layer, tented both sides, 4332 vias
v2: diameter 0.5, hole 0.2, Top Layer to Bottom Layer, tented both sides, 59 vias
v3: diameter 0.4, hole 0.2, Top Layer to Bottom Layer, 1 vias

## Nets (pads, with @x,y where several pads share a name; then routed paths per layer and width w, separated by ;. In a path a pad name is that pad's centre, name@x,y a point inside that pad or via, vN(x,y) a via of type N, cw(c..) or ccw(c..) an arc to the next point about the centre after c; other vN are vias at no path point)
3V0_REF: C46.1 C47.1 U5.22 U8.2 | length 4.8
  Top Layer w0.3: U5.22@89.616,8.759 90.467,8.759 90.513,8.713 v1(90.54,8.713)
  Bottom Layer w0.3: U8.2@87.25,9.975 87.363,9.863 88.588,9.863 C46.1@88.7,9.75 88.725,9.75 89.53,8.945 89.79,8.945 89.95,8.785 C47.1@89.95,8.765 C47.1@89.983,8.732 ; C47.1@89.95,8.732 C47.1@89.983,8.732 ; v1(90.54,8.713) 90.521,8.732 C47.1@89.983,8.732